# Altium PCB PCB1.PcbDoc (part 6 of 8)
Units mm, origin at the board's own origin, x right, y up, seen from the top; angles counter-clockwise.
Board outline 215 x 62.44 mm, 6 copper layers (Top Layer, Layer 1, Layer 2, Layer 3, Layer 4, Bottom Layer), stack 1.538 mm thick; 444 components, 475 nets, 1876 pads, 1257 vias.
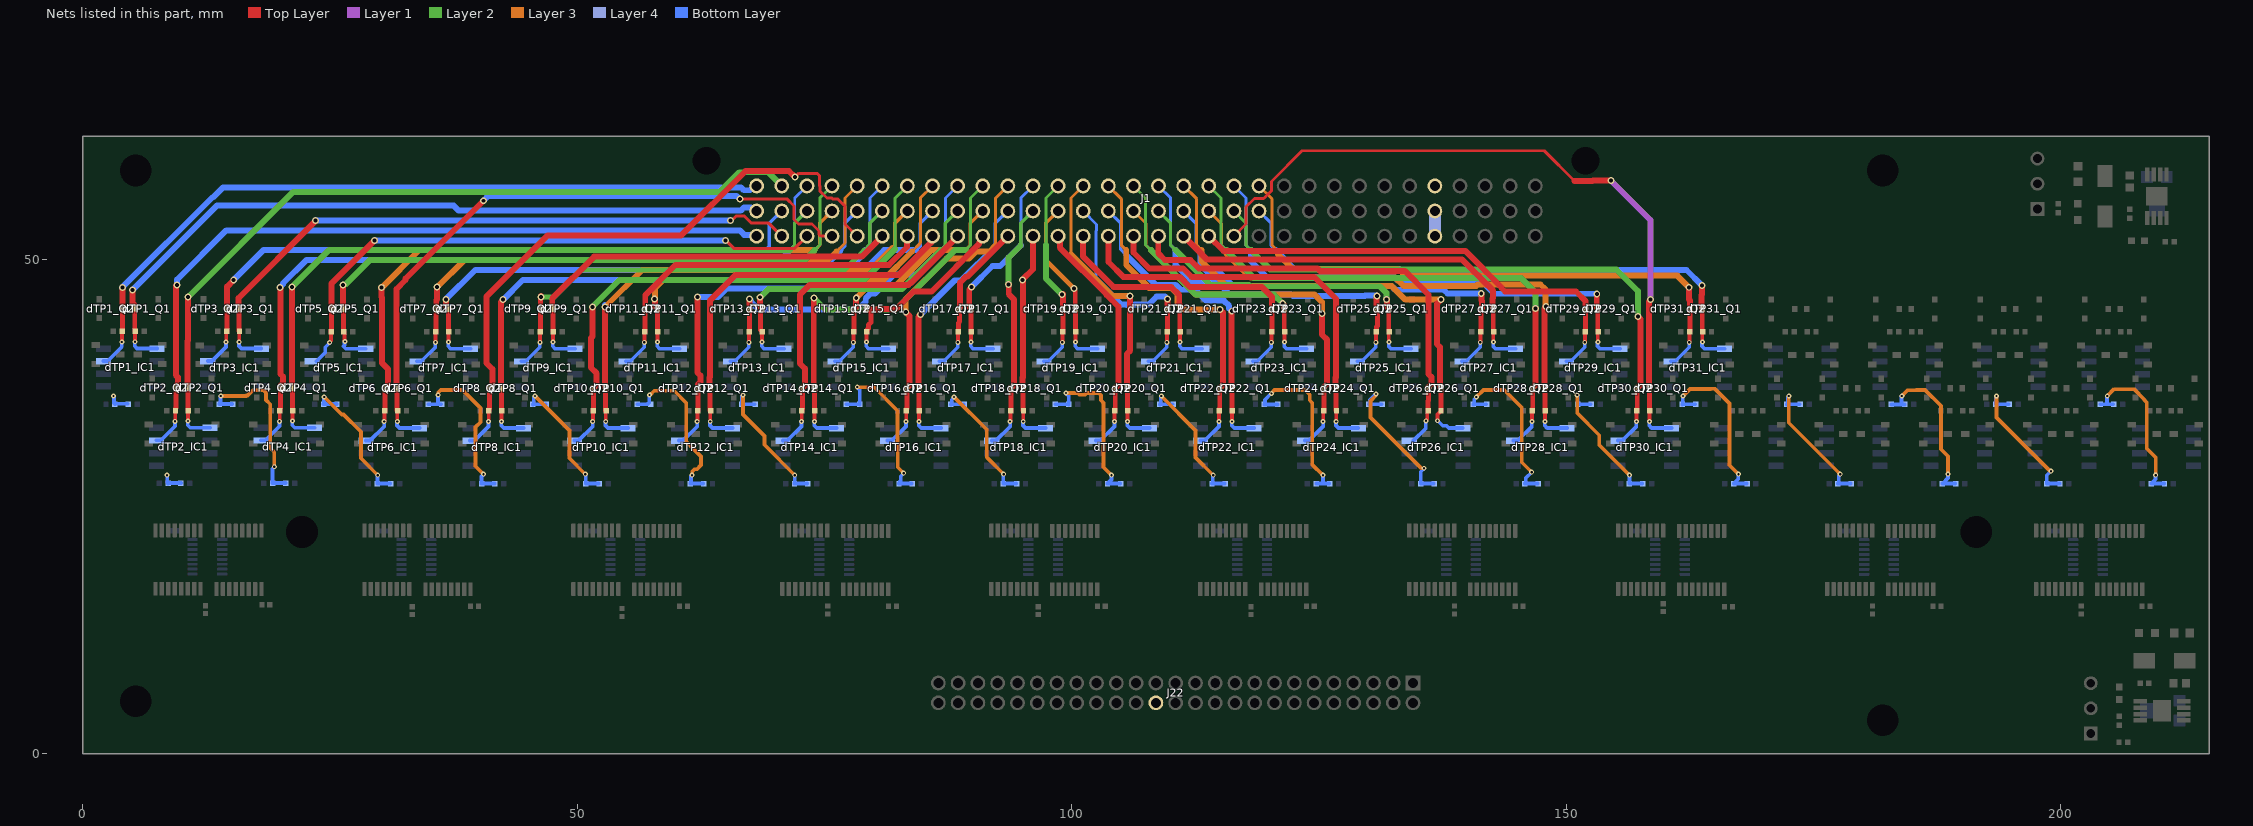
[diagram p10: the nets of this part, all layers, seen from the top]

## Via types
v1: diameter 0.5, hole 0.22, Top Layer to Bottom Layer, 884 vias
v2: diameter 0.5/0.5/0.5/0.5/0.5/0.5 (per signal layer), hole 0.22, Top Layer to Bottom Layer, tented both sides, 221 vias
v3: diameter 0.7, hole 0.4, Top Layer to Bottom Layer, 143 vias
v4: diameter 1.2, hole 0.5, Top Layer to Bottom Layer, 9 vias

## Nets (pads, with @x,y where several pads share a name; then routed paths per layer and width w, separated by ;. In a path a pad name is that pad's centre, name@x,y a point inside that pad or via, vN(x,y) a via of type N, cw(c..) or ccw(c..) an arc to the next point about the centre after c; other vN are vias at no path point) (continued)
PWR_MCU: dTP1_R5.1 dTP1_R6.1 dTP2_R5.1 dTP2_R6.1 dTP3_R5.1 dTP3_R6.1 dTP4_R5.1 dTP4_R6.1 dTP5_R5.1 dTP5_R6.1 dTP6_R5.1 dTP6_R6.1 dTP7_R5.1 dTP7_R6.1 dTP8_R5.1 dTP8_R6.1 dTP9_R5.1 dTP9_R6.1 dTP10_R5.1 dTP10_R6.1 dTP11_R5.1 dTP11_R6.1 dTP12_R5.1 dTP12_R6.1 dTP13_R5.1 dTP13_R6.1 dTP14_R5.1 dTP14_R6.1 dTP15_R5.1 dTP15_R6.1 dTP16_R5.1 dTP16_R6.1 dTP17_R5.1 dTP17_R6.1 dTP18_R5.1 dTP18_R6.1 dTP19_R5.1 dTP19_R6.1 dTP20_R5.1 dTP20_R6.1 dTP21_R5.1 dTP21_R6.1 dTP22_R5.1 dTP22_R6.1 dTP23_R5.1 dTP23_R6.1 dTP24_R5.1 dTP24_R6.1 dTP25_R5.1 dTP25_R6.1 dTP26_R5.1 dTP26_R6.1 dTP27_R5.1 dTP27_R6.1 dTP28_R5.1 dTP28_R6.1 dTP29_R5.1 dTP29_R6.1 dTP30_R5.1 dTP30_R6.1 dTP31_R5.1 dTP31_R6.1 dTP32_R5.1 dTP32_R6.1 dTP33_R5.1 dTP33_R6.1 dTP34_R5.1 dTP34_R6.1 dTP35_R5.1 dTP35_R6.1 dTP36_R5.1 dTP36_R6.1 dTP37_R5.1 dTP37_R6.1 dTP38_R5.1 dTP38_R6.1 dTP39_R5.1 dTP39_R6.1 dTP40_R5.1 dTP40_R6.1 J1.A28 J1.B28 J1.C28 J22.28 | length 312.3
  Layer 3 w0.381: v1(13.946,36.195) 16.505,36.195 16.553,36.243 16.641,36.243 17.169,36.771 18.29,36.771 18.513,36.548 18.513,35.789 18.938,35.364 18.938,30.932 19.343,30.528 19.343,30.338 19.353,30.328 v1(19.353,29.049) ; v1(24.4,36.095) 26.168,34.327 26.366,34.327 28.111,32.582 28.111,29.897 v1(29.813,28.195) ; v1(35.928,36.295) 35.928,36.547 36.18,36.8 38.395,36.8 40.2,34.995 40.2,33.554 39.7,33.054 39.7,29.095 v1(40.5,28.295) ; v1(45.7,36.195) 49.193,32.702 49.193,29.902 v1(50.8,28.295) ; v1(57.3,36.295) 57.332,36.295 57.767,36.73 59.788,36.73 61,35.518 61,31.595 62.5,30.095 62.5,29.945 62.5,29.213 62.088,28.8 61.841,28.8 61.617,28.577 61.617,28.212 v1(61.6,28.195) ; v1(66.746,36.295) 66.746,34.332 68.911,32.167 68.911,31.267 v1(71.983,28.195) ; v1(78.3,37.095) 78.283,37.078 80.012,37.078 82.374,34.715 82.374,30.819 82.4,30.794 82.4,28.995 v1(83,28.395) ; v1(88.1,36.095) 91.408,32.787 91.408,29.997 v1(93.11,28.295) ; v1(99.408,36.495) 100.587,36.495 100.744,36.338 101.319,36.338 101.475,36.495 102.721,36.495 102.944,36.272 102.944,35.763 103.2,35.507 103.2,28.995 v1(104,28.195) ; v1(109.046,36.195) 112.515,32.726 112.515,29.98 v1(114.3,28.195) ; v1(120.175,36.47) 120.5,36.795 123.595,36.795 124.052,36.339 124.052,35.763 124.3,35.515 124.3,29.288 v1(125.393,28.195) ; v1(130.751,36.395) 130.728,36.372 130.728,36.223 130.2,35.695 130.2,34.04 135.322,28.918 ; v1(140.9,36.095) 141.619,36.814 143.729,36.814 145.5,35.043 145.5,29.495 v1(146.5,28.495) ; v1(151.1,36.295) 151.1,34.473 153.341,32.232 153.341,31.254 v1(156.4,28.195) ; v1(161.8,36.195) 162.501,36.896 164.578,36.896 164.627,36.945 165,36.945 166.5,35.445 166.5,29.195 v1(167.4,28.295) ; v1(172.5,36.195) 172.5,33.495 v1(177.7,28.295) ; v1(183.926,36.195) 184.525,36.794 185.399,36.794 185.412,36.807 186.288,36.807 187.881,35.214 187.881,30.825 188.6,30.105 v1(188.6,28.295) ; v1(193.5,36.195) 193.5,34.037 198.919,28.618 198.977,28.618 v1(199,28.595) ; v1(204.7,36.195) 205.4,36.895 207.4,36.895 208.481,35.814 208.481,35.763 208.698,35.546 208.698,30.897 209.6,29.995 v1(209.6,28.195)
  Layer 4 w1.2: J1.C28@136.71,52.365 J1.B28@136.71,54.905
  Bottom Layer w0.381: v1(3.107,36.195) 3.107,36.163 3.149,36.12 3.149,35.472 dTP1_R5.1@3.234,35.387 ; dTP1_R5.1@3.234,35.411 dTP1_R6.1@4.532,35.411 ; v1(8.5,28.195) 8.5,28.163 8.525,28.138 8.525,27.45 dTP2_R5.1@8.609,27.366 ; dTP2_R5.1@8.609,27.39 dTP2_R6.1@9.907,27.39 ; v1(13.946,36.195) 13.923,36.172 13.923,35.546 13.866,35.489 13.866,35.463 13.806,35.403 dTP3_R6.1@15.08,35.403 ; v1(19.353,29.049) 19.353,29.017 19.176,28.839 19.176,27.45 19.174,27.449 19.174,27.39 dTP4_R6.1@20.474,27.39 ; dTP5_R5.1@24.339,35.383 dTP5_R5.1@24.341,35.383 ; dTP5_R5.1@24.341,35.359 dTP5_R5.1@24.365,35.383 ; v1(24.4,36.095) 24.377,36.072 24.377,35.396 dTP5_R5.1@24.365,35.383 ; dTP5_R6.1@25.639,35.383 dTP5_R5.1@24.365,35.383 ; v1(29.813,28.195) 29.791,28.173 29.791,27.388 29.767,27.365 dTP6_R6.1@31.067,27.365 ; dTP7_R5.1@34.938,35.377 35.8,35.377 ; v1(35.928,36.295) 35.905,36.272 35.905,35.483 35.8,35.377 ; dTP7_R6.1@36.238,35.377 35.8,35.377 ; dTP8_R5.1@40.31,27.34 dTP8_R5.1@40.31,27.365 ; v1(40.5,28.295) 40.5,28.263 40.31,28.072 dTP8_R5.1@40.31,27.365 ; dTP8_R6.1@41.608,27.365 dTP8_R5.1@40.31,27.365 ; dTP9_R5.1@45.505,35.377 dTP9_R5.1@45.506,35.377 ; dTP9_R5.1@45.506,35.353 dTP9_R5.1@45.531,35.377 ; v1(45.7,36.195) 45.7,36.163 45.591,36.054 45.591,35.438 dTP9_R5.1@45.531,35.377 ; dTP9_R6.1@46.805,35.377 dTP9_R5.1@45.531,35.377 ; v1(50.8,28.295) 50.8,28.263 50.851,28.212 dTP10_R5.1@50.851,27.365 ; dTP10_R5.1@50.851,27.34 dTP10_R5.1@50.851,27.365 ; dTP10_R6.1@52.149,27.365 dTP10_R5.1@50.851,27.365 ; dTP11_R5.1@56.071,35.377 57.1,35.377 57.277,35.555 57.277,36.272 v1(57.3,36.295) ; dTP12_R5.1@61.417,27.34 dTP12_R5.1@61.441,27.365 ; v1(61.6,28.195) 61.6,28.163 61.501,28.064 61.501,27.425 dTP12_R5.1@61.441,27.365 ; dTP12_R6.1@62.715,27.365 dTP12_R5.1@61.441,27.365 ; dTP13_R5.1@66.639,35.353 dTP13_R5.1@66.639,35.377 ; v1(66.746,36.295) 66.746,36.263 66.639,36.156 dTP13_R5.1@66.639,35.377 ; dTP13_R6.1@67.937,35.377 dTP13_R5.1@66.639,35.377 ; dTP14_R5.1@71.956,27.365 dTP14_R5.1@71.971,27.365 ; dTP14_R5.1@71.958,27.34 71.971,27.353 dTP14_R5.1@71.971,27.365 ; v1(71.983,28.195) 71.971,28.182 dTP14_R5.1@71.971,27.365 ; dTP14_R6.1@73.256,27.365 dTP14_R5.1@71.971,27.365 ; dTP15_R5.1@77.204,35.377 dTP15_R6.1@78.504,35.377 ; v1(78.3,37.095) 78.3,37.063 78.556,36.807 dTP15_R6.1@78.556,35.353 ; dTP16_R5.1@82.524,27.34 dTP16_R5.1@82.548,27.365 ; v1@82.993,28.388 82.7,28.095 82.7,27.648 82.609,27.557 82.609,27.425 dTP16_R5.1@82.548,27.365 ; dTP16_R6.1@83.823,27.365 dTP16_R5.1@82.548,27.365 ; dTP17_R5.1@87.77,35.377 dTP17_R5.1@87.772,35.377 ; dTP17_R5.1@87.772,35.353 dTP17_R5.1@87.796,35.377 ; v1(88.1,36.095) 88.1,36.063 87.856,35.819 87.856,35.438 dTP17_R5.1@87.796,35.377 ; dTP17_R6.1@89.07,35.377 dTP17_R5.1@87.796,35.377 ; dTP18_R5.1@93.065,27.34 dTP18_R5.1@93.065,27.365 ; v1(93.11,28.295) 93.11,28.263 93.065,28.218 dTP18_R5.1@93.065,27.365 ; dTP18_R6.1@94.364,27.365 dTP18_R5.1@93.065,27.365 ; dTP19_R5.1@98.337,35.377 dTP19_R6.1@99.637,35.377 ; v1(99.408,36.495) 99.408,36.481 99.688,36.2 dTP19_R6.1@99.688,35.353 ; dTP20_R5.1@103.605,27.365 dTP20_R5.1@103.63,27.365 ; v1(104,28.195) 104,27.76 103.691,27.451 103.691,27.425 dTP20_R5.1@103.63,27.365 ; dTP20_R6.1@104.905,27.365 dTP20_R5.1@103.63,27.365 ; dTP21_R5.1@108.903,35.377 dTP21_R5.1@108.905,35.377 ; dTP21_R5.1@108.905,35.353 dTP21_R5.1@108.929,35.377 ; v1(109.046,36.195) 109.046,36.163 108.989,36.106 108.989,35.438 dTP21_R5.1@108.929,35.377 ; dTP21_R6.1@110.203,35.377 dTP21_R5.1@108.929,35.377 ; dTP22_R5.1@114.171,27.365 dTP22_R5.1@114.173,27.365 ; dTP22_R5.1@114.173,27.34 dTP22_R5.1@114.197,27.365 ; v1(114.3,28.195) 114.3,28.163 114.257,28.12 114.257,27.425 dTP22_R5.1@114.197,27.365 ; dTP22_R6.1@115.471,27.365 dTP22_R5.1@114.197,27.365 ; dTP23_R5.1@119.471,35.353 dTP23_R6.1@120.821,35.353 ; dTP23_R5.1@119.491,35.373 119.524,35.406 119.524,35.819 v1(120.175,36.47) ; dTP24_R5.1@124.712,27.365 125.4,27.365 ; v1(125.393,28.195) 125.4,28.188 125.4,27.365 ; dTP24_R6.1@126.012,27.365 125.4,27.365 ; v1(130.751,36.395) 130.728,36.372 130.675,36.372 130.122,35.819 130.122,35.438 130.062,35.377 dTP25_R6.1@131.336,35.377 ; dTP26_R5.1@135.28,27.34 dTP26_R5.1@135.28,27.365 ; v1(135.6,28.895) 135.6,28.863 135.28,28.543 dTP26_R5.1@135.28,27.365 ; dTP26_R6.1@136.578,27.365 dTP26_R5.1@135.28,27.365 ; dTP27_R5.1@140.602,35.377 dTP27_R5.1@140.604,35.377 ; dTP27_R5.1@140.604,35.353 dTP27_R5.1@140.628,35.377 ; v1(140.9,36.095) 140.9,36.063 140.688,35.851 140.688,35.438 dTP27_R5.1@140.628,35.377 ; dTP27_R6.1@141.902,35.377 dTP27_R5.1@140.628,35.377 ; dTP28_R5.1@145.821,27.34 dTP28_R5.1@145.845,27.365 ; v1(146.5,28.495) 145.906,27.9 145.906,27.425 dTP28_R5.1@145.845,27.365 ; dTP28_R6.1@147.119,27.365 dTP28_R5.1@145.845,27.365 ; v1(151.1,36.295) 151.1,36.263 151.17,36.192 dTP29_R5.1@151.17,35.377 ; dTP29_R5.1@151.17,35.353 dTP29_R5.1@151.17,35.377 ; dTP29_R6.1@152.469,35.377 dTP29_R5.1@151.17,35.377 ; v1(156.4,28.195) 156.394,28.189 156.394,27.373 156.386,27.365 dTP30_R6.1@157.686,27.365 ; dTP31_R5.1@161.735,35.377 dTP31_R5.1@161.737,35.377 ; dTP31_R5.1@161.737,35.353 dTP31_R5.1@161.761,35.377 ; v1(161.8,36.195) 161.777,36.172 161.777,35.394 dTP31_R5.1@161.761,35.377 ; dTP31_R6.1@163.035,35.377 dTP31_R5.1@161.761,35.377 ; dTP32_R5.1@166.927,27.365 dTP32_R5.1@166.953,27.365 ; v1(167.4,28.295) 167.377,28.272 167.377,27.789 dTP32_R5.1@166.953,27.365 ; dTP32_R6.1@168.227,27.365 dTP32_R5.1@166.953,27.365 ; dTP33_R5.1@172.301,35.377 dTP33_R5.1@172.303,35.377 ; dTP33_R5.1@172.303,35.353 dTP33_R5.1@172.327,35.377 ; v1(172.5,36.195) 172.5,36.163 172.388,36.05 172.388,35.438 dTP33_R5.1@172.327,35.377 ; dTP33_R6.1@173.601,35.377 dTP33_R5.1@172.327,35.377 ; dTP34_R5.1@177.468,27.365 dTP34_R5.1@177.47,27.365 ; dTP34_R5.1@177.47,27.34 dTP34_R5.1@177.494,27.365 ; v1(177.7,28.295) 177.7,28.263 177.554,28.117 177.554,27.425 dTP34_R5.1@177.494,27.365 ; dTP34_R6.1@178.768,27.365 dTP34_R5.1@177.494,27.365 ; dTP35_R5.1@182.87,35.353 183.8,35.353 ; v1(183.926,36.195) 183.903,36.172 183.903,35.456 183.8,35.353 ; dTP35_R6.1@184.22,35.353 183.8,35.353 ; dTP36_R5.1@188.036,27.34 dTP36_R5.1@188.06,27.365 ; v1(188.6,28.295) 188.598,28.293 188.598,27.903 dTP36_R5.1@188.06,27.365 ; dTP36_R6.1@189.334,27.365 dTP36_R5.1@188.06,27.365 ; dTP37_R5.1@193.436,35.353 dTP37_R5.1@193.436,35.377 ; v1(193.5,36.195) 193.5,36.163 193.436,36.099 dTP37_R5.1@193.436,35.377 ; dTP37_R6.1@194.734,35.377 dTP37_R5.1@193.436,35.377 ; dTP38_R5.1@198.577,27.34 dTP38_R5.1@198.577,27.365 ; v1(199,28.595) 198.985,28.595 198.577,28.187 dTP38_R5.1@198.577,27.365 ; dTP38_R6.1@199.875,27.365 dTP38_R5.1@198.577,27.365 ; dTP39_R5.1@204.001,35.377 204.626,35.377 ; v1(204.7,36.195) 204.677,36.172 204.677,35.429 204.626,35.377 ; dTP39_R6.1@205.301,35.377 204.626,35.377 ; dTP40_R5.1@209.142,27.365 dTP40_R5.1@209.143,27.365 ; dTP40_R5.1@209.143,27.34 dTP40_R5.1@209.167,27.365 ; v1(209.6,28.195) 209.577,28.172 209.577,27.774 dTP40_R5.1@209.167,27.365 ; dTP40_R6.1@210.442,27.365 dTP40_R5.1@209.167,27.365
TP_1_41: dTP1_IC1.3 dTP1_Q2.3 dTP1_R7.1 J1.A1 | length 77.2
  Top Layer w0.38: v1(3.932,41.661) 3.955,41.684 3.955,42.734 dTP1_R7.1@3.982,42.761
  Top Layer w0.5: dTP1_R7.1@3.984,42.737 3.984,43.749 4.02,43.785 dTP1_Q2.3@4.022,45.037 dTP1_Q2.3@4.022,45.037
  Top Layer w0.6: dTP1_Q2.3@3.989,45.069 4.02,45.1 4.02,45.815 3.989,45.845 v3(3.989,47.186)
  Bottom Layer w0.38: dTP1_IC1.3@2.07,39.746 2.507,39.746 3.932,41.171 v1(3.932,41.661)
  Bottom Layer w0.6: v3(3.989,47.186) 13.102,56.299 13.19,56.299 14.19,57.299 66.54,57.299 66.831,57.008 67.449,57.008 67.886,57.445 J1.A1@68.13,57.445
TP_2_41: dTP1_IC1.5 dTP1_Q1.3 dTP1_R8.1 J1.B1 | length 75.3
  Top Layer w0.38: dTP1_R8.1@5.244,42.799 5.255,42.788 v1(5.255,41.684)
  Top Layer w0.5: dTP1_R8.1@5.244,42.799 dTP1_Q1.3@5.244,45.061
  Top Layer w0.6: v3@5,46.945 v3@5.043,46.945 ; v3(5.035,46.936) 5.035,45.592 5.236,45.391 dTP1_Q1.3@5.236,45.047
  Bottom Layer w0.38: v1(5.255,41.684) 5.232,41.661 5.232,41.261 5.477,41.016 dTP1_IC1.5@7.494,41.016
  Bottom Layer w0.6: v3(5.035,46.936) 13.543,55.445 37.5,55.445 38,54.945 66.514,54.945 66.831,55.262 67.529,55.262 67.886,54.905 J1.B1@68.13,54.905
TP_3_41: dTP2_IC1.3 dTP2_Q2.3 dTP2_R7.1 J1.C1 | length 78.5
  Top Layer w0.38: v1(9.307,33.64) 9.33,33.663 9.33,34.713 dTP2_R7.1@9.357,34.74
  Top Layer w0.5: dTP2_R7.1@9.357,34.74 9.382,34.765 9.382,34.961 9.395,34.974 dTP2_Q2.3@9.395,37.04
  Top Layer w0.6: dTP2_Q2.3@9.397,37.016 9.397,37.227 9.603,37.433 9.603,38.099 9.397,38.304 9.397,47.342 v3(9.5,47.445)
  Bottom Layer w0.38: dTP2_IC1.3@7.445,31.725 7.883,31.725 9.307,33.15 v1(9.307,33.64)
  Bottom Layer w0.6: v3(9.5,47.445) 9.519,47.464 9.519,47.964 14.5,52.945 66.417,52.945 66.869,52.492 68.003,52.492 J1.C1@68.13,52.365
TP_4_41: dTP2_IC1.5 dTP2_Q1.3 dTP2_R8.1 J1.A2 | length 81.2
  Top Layer w0.38: dTP2_R8.1@10.619,34.778 10.63,34.767 v1(10.63,33.663)
  Top Layer w0.5: dTP2_R8.1@10.619,34.778 dTP2_Q1.3@10.619,37.04
  Top Layer w0.6: dTP2_Q1.3@10.611,37.026 10.611,37.37 10.565,37.415 10.565,41.772 10.619,41.825 v3(10.619,46.195)
  Layer 2 w0.6: v3(10.619,46.195) 21.273,56.849 64.404,56.849 66.38,58.825 69.29,58.825 J1.A2@70.67,57.445
  Bottom Layer w0.38: v1(10.63,33.663) 10.607,33.64 10.607,33.24 10.852,32.995 dTP2_IC1.5@12.869,32.995
TP_5_41: dTP3_IC1.3 dTP3_Q2.3 dTP3_R7.1 J1.B2 | length 69.2
  Top Layer w0.38: v1(14.48,41.653) 14.503,41.676 14.503,42.726 dTP3_R7.1@14.53,42.753
  Top Layer w0.5: dTP3_R7.1@14.53,42.753 14.555,42.778 14.555,42.974 14.568,42.987 dTP3_Q2.3@14.568,45.053
  Top Layer w0.6: dTP3_Q2.3@14.57,45.029 14.57,46.424 ; 14.581,46.457 14.581,47.263 15.25,47.931 v3(15.25,47.945)
  Bottom Layer w0.35: 69,50.945 69.415,51.36 69.415,53.65 J1.B2@70.67,54.905
  Bottom Layer w0.38: dTP3_IC1.3@12.618,39.738 13.056,39.738 14.48,41.162 v1(14.48,41.653)
  Bottom Layer w0.6: v3(15.25,47.945) 18.25,50.945 69,50.945
TP_6_41: dTP3_IC1.5 dTP3_Q1.3 dTP3_R8.1 J1.C2 | length 66.6
  Top Layer w0.3: v3@65.392,53.945 v3(65.5,53.945) 65.608,53.945 66.062,54.399 66.883,54.399 67.606,53.675 69.36,53.675 J1.C2@70.67,52.365
  Top Layer w0.38: dTP3_R8.1@15.792,42.791 15.803,42.78 v1(15.803,41.676)
  Top Layer w0.5: dTP3_R8.1@15.792,42.791 dTP3_Q1.3@15.792,45.053
  Top Layer w0.6: dTP3_Q1.3@15.794,45.029 15.794,45.373 15.738,45.428 15.738,46.094 23.5,53.856 v3(23.5,53.945)
  Bottom Layer w0.38: v1(15.803,41.676) 15.78,41.653 15.78,41.253 16.025,41.008 dTP3_IC1.5@18.042,41.008
  Bottom Layer w0.6: v3(23.5,53.945) v3(65.5,53.945)
TP_7_41: dTP4_IC1.3 dTP4_Q2.3 dTP4_R7.1 J1.A3 | length 77.1
  Top Layer w0.38: v1(19.874,33.64) 19.897,33.663 19.897,34.713 dTP4_R7.1@19.924,34.74
  Top Layer w0.5: dTP4_R7.1@19.924,34.74 19.949,34.765 19.949,34.961 19.962,34.974 dTP4_Q2.3@19.962,37.04
  Top Layer w0.6: dTP4_Q2.3@19.964,37.016 19.964,37.233 20.237,37.506 20.237,38.172 19.964,38.445 v3@19.964,47.128
  Bottom Layer w0.3: 71.5,50.945 71.98,51.425 71.98,56.215 J1.A3@73.21,57.445
  Bottom Layer w0.38: dTP4_IC1.3@18.012,31.725 18.449,31.725 19.874,33.15 v1(19.874,33.64)
  Bottom Layer w0.6: v3@19.96,47.205 v3(19.941,47.186) 19.941,47.213 20.23,47.503 20.23,47.586 22.589,49.945 70.5,49.945 71.5,50.945
TP_8_41: dTP4_IC1.5 dTP4_Q1.3 dTP4_R8.1 J1.B3 | length 73
  Top Layer w0.38: dTP4_R8.1@21.186,34.778 21.197,34.767 v1(21.197,33.663)
  Top Layer w0.5: dTP4_R8.1@21.186,34.778 dTP4_Q1.3@21.186,37.04
  Top Layer w0.6: 21.132,46.322 21.132,37.415 21.188,37.36 dTP4_Q1.3@21.188,37.016 ; 21.134,46.279 v3(21.134,47.211)
  Layer 2 w0.35: 71.5,50.945 71.955,51.4 71.955,53.65 J1.B3@73.21,54.905
  Layer 2 w0.6: v3(21.134,47.211) 24.868,50.945 71.5,50.945
  Bottom Layer w0.38: v1(21.197,33.663) 21.174,33.64 21.174,33.24 21.419,32.995 dTP4_IC1.5@23.436,32.995
TP_9_41: dTP5_IC1.3 dTP5_Q2.3 dTP5_R7.1 J1.C3 | length 59.3
  Top Layer w0.3: v3(65,51.945) 65.81,51.135 71.98,51.135 J1.C3@73.21,52.365
  Top Layer w0.38: v1(24.954,41.622) 24.954,41.668 25.091,41.805 dTP5_R7.1@25.091,42.709 25.091,42.732 dTP5_R7.1@25.089,42.733
  Top Layer w0.5: dTP5_R7.1@25.091,42.709 25.116,42.734 25.116,42.931 25.152,42.967 25.152,44.983 dTP5_Q2.3@25.129,45.009
  Top Layer w0.6: dTP5_Q2.3@25.129,45.009 25.129,47.557 v3@29.517,51.945
  Bottom Layer w0.38: dTP5_IC1.3@23.615,39.718 24.505,40.608 24.505,41.127 24.954,41.576 v1(24.954,41.622)
  Bottom Layer w0.6: v3(29.5,51.945) v3(65,51.945)
TP_10_41: dTP5_IC1.5 dTP5_Q1.3 dTP5_R8.1 J1.A4 | length 64.9
  Top Layer w0.38: dTP5_R8.1@26.351,42.771 26.459,42.663 26.459,41.736 v1(26.492,41.703)
  Top Layer w0.5: dTP5_R8.1@26.351,42.771 dTP5_Q1.3@26.351,45.033
  Top Layer w0.6: 26.291,46.508 v3(26.291,47.44) ; 26.297,46.297 26.297,45.409 26.339,45.367 26.339,45.043 26.349,45.033 dTP5_Q1.3@26.351,45.033
  Layer 2 w0.3: 74,50.945 74.52,51.465 74.52,56.215 J1.A4@75.75,57.445
  Layer 2 w0.6: v3(26.291,47.44) 26.31,47.459 26.514,47.459 29,49.945 73,49.945 74,50.945
  Bottom Layer w0.38: v1(26.492,41.703) 26.459,41.671 26.459,41.358 26.339,41.238 26.339,41.233 26.584,40.988 dTP5_IC1.5@28.601,40.988
TP_11_41: dTP6_IC1.3 dTP6_Q2.3 dTP6_R7.1 J1.B4 | length 67
  Top Layer w0.38: v1(30.467,33.615) 30.49,33.638 30.49,34.688 dTP6_R7.1@30.517,34.715
  Top Layer w0.5: dTP6_R7.1@30.517,34.715 30.542,34.74 30.542,34.936 30.555,34.949 dTP6_Q2.3@30.555,37.015
  Top Layer w0.6: 30.202,46.195 30.229,46.169 30.229,39.565 30.871,38.923 30.871,37.305 dTP6_Q2.3@30.557,36.99 ; 30.202,46.229 v3(30.202,47.161)
  Layer 3 w0.35: 74,50.945 74.495,51.44 74.495,53.65 J1.B4@75.75,54.905
  Layer 3 w0.6: v3(30.202,47.161) 33.987,50.945 74,50.945
  Bottom Layer w0.38: dTP6_IC1.3@28.605,31.7 29.042,31.7 30.467,33.124 v1(30.467,33.615)
TP_12_41: dTP6_IC1.5 dTP6_Q1.3 dTP6_R8.1 J1.C4 | length 66.9
  Top Layer w0.3: v3(66.426,56.135) 71.179,56.135 71.9,55.414 71.9,54.045 72.35,53.595 73.719,53.595 74.44,52.874 74.44,52.541 74.616,52.365 J1.C4@75.75,52.365
  Top Layer w0.38: dTP6_R8.1@31.779,34.753 31.79,34.742 v1(31.79,33.638)
  Top Layer w0.5: dTP6_R8.1@31.779,34.753 dTP6_Q1.3@31.779,37.015
  Top Layer w0.6: dTP6_Q1.3@31.779,37.015 31.779,37.183 31.725,37.237 31.725,47.028 32.623,47.926 32.623,48.067 v3(40.5,55.945)
  Bottom Layer w0.38: v1(31.79,33.638) 31.767,33.615 31.767,33.215 32.012,32.97 dTP6_IC1.5@34.029,32.97
  Bottom Layer w0.6: v3(40.5,55.945) 41,56.445 66.089,56.445 66.399,56.135 v3(66.426,56.135)
TP_13_41: dTP7_IC1.3 dTP7_Q2.3 dTP7_R7.1 J1.A5 | length 58
  Top Layer w0.38: v1(35.638,41.627) 35.661,41.65 35.661,42.7 dTP7_R7.1@35.688,42.727
  Top Layer w0.5: dTP7_R7.1@35.688,42.727 35.713,42.752 35.713,42.949 35.726,42.962 dTP7_Q2.3@35.726,45.027
  Top Layer w0.6: dTP7_Q2.3@35.726,45.027 35.726,45.894 35.802,45.97 35.802,47.197 v3(35.822,47.216)
  Layer 3 w0.3: 76.223,50.819 77.06,51.656 77.06,56.215 J1.A5@78.29,57.445
  Layer 3 w0.6: v3(35.822,47.216) 38.55,49.945 75.349,49.945 76.223,50.819
  Bottom Layer w0.38: dTP7_IC1.3@33.776,39.712 34.214,39.712 35.638,41.137 v1(35.638,41.627)
  Bottom Layer w0.6: v3(35.822,47.216) v3@35.841,47.236
TP_14_41: dTP7_IC1.5 dTP7_Q1.3 dTP7_R8.1 J1.B5 | length 53.8
  Top Layer w0.38: dTP7_R8.1@36.95,42.765 36.961,42.755 v1(36.961,41.65)
  Top Layer w0.5: dTP7_R8.1@36.95,42.765 dTP7_Q1.3@36.95,45.027
  Top Layer w0.6: v3(36.706,45.968) 36.726,45.949 36.726,45.252 dTP7_Q1.3@36.95,45.027
  Bottom Layer w0.35: 76.62,50.945 77.035,51.36 77.035,53.65 J1.B5@78.29,54.905
  Bottom Layer w0.38: v1(36.961,41.65) 36.938,41.627 36.938,41.227 37.183,40.982 dTP7_IC1.5@39.2,40.982
  Bottom Layer w0.6: v3(36.706,45.968) 39.683,48.945 74.62,48.945 76.62,50.945
TP_15_41: dTP8_IC1.3 dTP8_Q2.3 dTP8_R7.1 J1.C5 | length 63.7
  Top Layer w0.3: v3(72.012,58.359) 72.031,58.359 72.388,58.717 74.228,58.717 74.5,58.445 74.5,57.445 74.52,57.425 74.52,56.925 75.23,56.215 75.73,56.215 75.81,56.135 76.31,56.135 77.06,55.385 77.06,53.595 J1.C5@78.29,52.365
  Top Layer w0.38: v1(41.008,33.615) 41.031,33.638 41.031,34.688 dTP8_R7.1@41.058,34.715
  Top Layer w0.5: dTP8_R7.1@41.058,34.715 41.083,34.74 41.083,34.936 41.096,34.949 dTP8_Q2.3@41.096,37.015
  Top Layer w0.6: dTP8_Q2.3@41.098,36.99 41.404,37.297 41.404,38.931 40.794,39.54 40.794,46.239 47,52.445 60.5,52.445 67,58.945 71.399,58.945 71.985,58.359 v3(72.012,58.359)
  Bottom Layer w0.38: dTP8_IC1.3@39.146,31.7 39.583,31.7 41.008,33.124 v1(41.008,33.615)
TP_16_41: dTP8_IC1.5 dTP8_Q1.3 dTP8_R8.1 J1.A6 | length 61.2
  Top Layer w0.38: dTP8_R8.1@42.32,34.753 42.331,34.742 v1(42.331,33.638)
  Top Layer w0.5: dTP8_R8.1@42.32,34.753 dTP8_Q1.3@42.32,37.015
  Top Layer w0.6: dTP8_Q1.3@42.32,37.015 42.32,37.183 42.266,37.237 42.266,45.684 42.5,45.918 v3(42.5,45.945)
  Bottom Layer w0.3: 79.12,50.945 79.6,51.425 79.6,56.215 J1.A6@80.83,57.445
  Bottom Layer w0.38: v1(42.331,33.638) 42.308,33.615 42.308,33.215 42.553,32.97 dTP8_IC1.5@44.57,32.97
  Bottom Layer w0.6: v3(42.5,45.945) 44.5,47.945 76.328,47.945 79.12,50.736 79.12,50.945
TP_17_41: dTP9_IC1.3 dTP9_Q2.3 dTP9_R7.1 J1.B6 | length 47.1
  Top Layer w0.38: v1(46.205,41.627) 46.228,41.65 46.228,42.7 dTP9_R7.1@46.255,42.727
  Top Layer w0.5: dTP9_R7.1@46.255,42.727 46.28,42.752 46.28,42.949 46.293,42.962 v3@46.293,46.284
  Top Layer w0.6: v3@46.306,46.297 46.321,46.282 v3(46.321,46.205)
  Layer 2 w0.35: 79,50.945 79.575,51.52 79.575,53.65 J1.B6@80.83,54.905
  Layer 2 w0.5: v3(46.321,46.205) 47.669,46.205 50.409,48.945 77,48.945 79,50.945
  Bottom Layer w0.38: dTP9_IC1.3@44.343,39.712 44.78,39.712 46.205,41.137 v1(46.205,41.627)
TP_18_41: dTP9_IC1.5 dTP9_Q1.3 dTP9_R8.1 J1.C6 | length 43.2
  Top Layer w0.38: dTP9_R8.1@47.517,42.765 47.528,42.755 v1(47.528,41.65)
  Top Layer w0.5: dTP9_R8.1@47.517,42.765 dTP9_Q1.3@47.517,45.027
  Top Layer w0.6: dTP9_Q1.3@47.517,45.027 47.463,45.081 47.463,46.069 51.693,50.299 78.764,50.299 J1.C6@80.83,52.365
  Bottom Layer w0.38: v1(47.528,41.65) 47.505,41.627 47.505,41.227 47.75,40.982 dTP9_IC1.5@49.767,40.982
TP_19_41: dTP10_IC1.3 dTP10_Q2.3 dTP10_R7.1 J1.A7 | length 55
  Top Layer w0.38: v1(51.549,33.615) 51.572,33.638 51.572,34.688 dTP10_R7.1@51.599,34.715
  Top Layer w0.5: dTP10_R7.1@51.599,34.715 51.624,34.74 51.624,34.936 51.637,34.949 dTP10_Q2.3@51.637,37.015
  Top Layer w0.6: v3(51.512,45.195) 51.512,42.201 51.36,42.05 51.36,39.083 51.953,38.491 51.953,37.305 dTP10_Q2.3@51.639,36.99
  Layer 2 w0.3: 82.14,51.085 82.14,56.215 J1.A7@83.37,57.445
  Layer 2 w0.6: v3(51.512,45.195) 54.263,47.945 79,47.945 82.14,51.085
  Bottom Layer w0.38: dTP10_IC1.3@49.687,31.7 50.124,31.7 51.549,33.124 v1(51.549,33.615)
TP_20_41: dTP10_IC1.5 dTP10_Q1.3 dTP10_R8.1 J1.B7 | length 50.5
  Top Layer w0.38: dTP10_R8.1@52.861,34.753 52.872,34.742 v1(52.872,33.638)
  Top Layer w0.5: dTP10_R8.1@52.861,34.753 dTP10_Q1.3@52.861,37.015
  Top Layer w0.6: v3(52.8,45.195) 52.807,45.188 52.807,37.237 52.861,37.183 dTP10_Q1.3@52.861,37.015